# Allegro board 8880F5-0820_5.brd (continued)
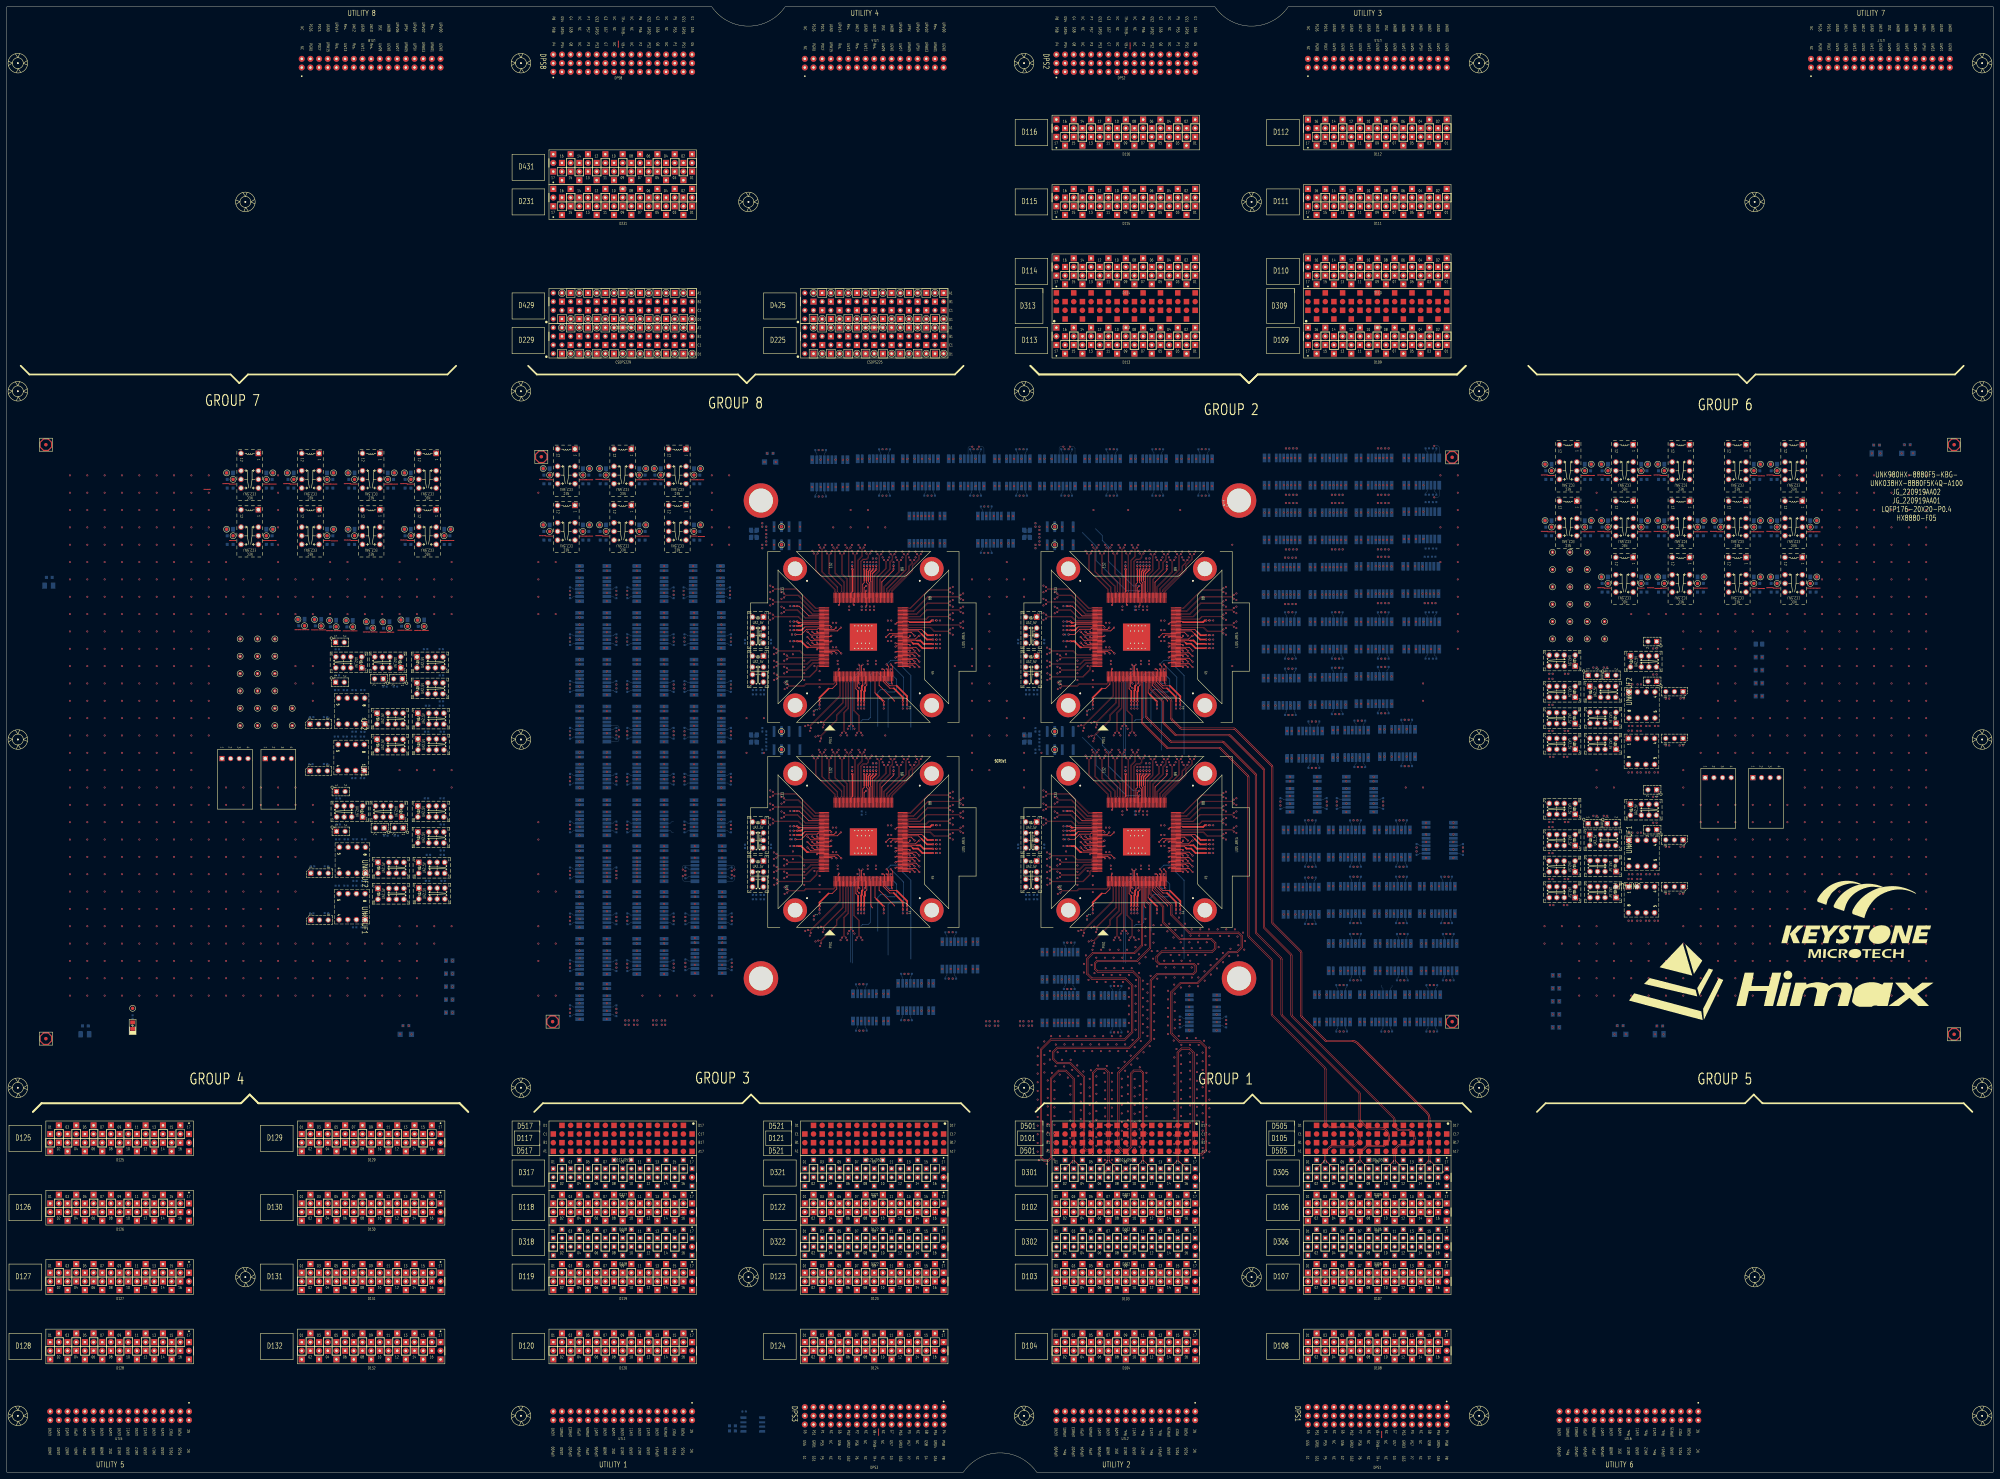
[diagram p0: board, top side]
## Placement (name value [footprint] x y rotation side) (continued)
FD7  -  [FD_040_V2]  423.24 297.28 180 bottom
FD8  -  [FD_040_V2]  156.51 297.46 180 bottom
FD9  -  [FD_040_V2]  570.23 128.27 180 bottom
FD10  -  [FD_040_V2]  570.23 300.99 0 top
FD11  -  [FD_040_V2]  570.23 300.99 180 bottom
FD12  -  [FD_040_V2]  11.43 300.99 0 top
FD13  -  [FD_040_V2]  11.43 300.99 180 bottom
FD14  -  [FD_040_V2]  11.43 127 0 top
FD15  -  [FD_040_V2]  11.43 127 180 bottom
FD16  -  [FD_040_V2]  570.23 128.27 0 top
GND1  TP01  [TP_040_T]  173.57 294 0 top
GND2  TP01  [TP_040_T]  187.11 294 180 top
GND3  TP01  [TP_040_T]  116.42 292.74 0 top
GND4  TP01  [TP_040_T]  157.06 294 0 top
GND5  TP01  [TP_040_T]  170.6 294 180 top
GND6  TP01  [TP_040_T]  173.57 277.5 0 top
GND7  TP01  [TP_040_T]  203.11 294 180 top
GND8  TP01  [TP_040_T]  189.58 294 0 top
GND9  TP01  [TP_040_T]  170.6 277.5 180 top
GND10  TP01  [TP_040_T]  99.36 249.46 0 top
GND11  TP01  [TP_040_T]  94.49 249.52 0 top
GND12  TP01  [TP_040_T]  203.11 277.5 180 top
GND13  TP01  [TP_040_T]  187.11 277.5 180 top
GND14  TP01  [TP_040_T]  157.06 277.5 0 top
HX8880-F05  REF-CODE-CHIP  [CHIP_CODE]  559.05 279.65 0 top
J1  HDR-2X1-M  [JP_2P_100]  110.24 232.41 270 bottom
J2  HDR-3X1-M  [JP_3P_100]  88.76 205.43 90 bottom
J3  HDR-3X1-M  [JP_3P_100]  88.76 219.15 90 bottom
J4  HDR-2X1-M  [JP_2P_100]  96.27 231.39 90 bottom
J5  HDR-2X1-M  [JP_2P_100]  96.27 243.08 90 bottom
JG_220919AA01  REF-CODE-SOCKET  [SOCKET_CODE]  559.05 284.73 0 top
JG_220919AA02  REF-CODE-SOCKET  [SOCKET_CODE]  559.05 287.27 0 top
K1  G6K-2F-RF-T-5V-SPECIAL  [RL_G6K2FRT_8P_5V_GR]  171.7 219.2 270 bottom
K2  G6K-2F-RF-T-5V-SPECIAL  [RL_G6K2FRT_8P_5V_GR]  205.23 232.92 270 bottom
K3  G6K-2F-RF-T-5V-SPECIAL  [RL_G6K2FRT_8P_5V_GR]  294.39 292.86 0 bottom
K4  G6K-2F-RF-T-5V-SPECIAL  [RL_G6K2FRT_8P_5V_GR]  307.59 292.86 0 bottom
K5  G6K-2F-RF-T-5V-SPECIAL  [RL_G6K2FRT_8P_5V_GR]  347.73 292.86 0 bottom
K6  G6K-2F-RF-T-5V-SPECIAL  [RL_G6K2FRT_8P_5V_GR]  334.26 292.86 0 bottom
K7  G6K-2F-RF-T-5V-SPECIAL  [RL_G6K2FRT_8P_5V_GR]  320.8 292.86 0 bottom
K8  G6K-2F-RF-T-5V-SPECIAL  [RL_G6K2FRT_8P_5V_GR]  267.46 292.86 0 bottom
K9  UA2-5NJ-A-V3  [RL_NECUA2_5V_V3]  219.96 235.46 90 bottom
K10  UA2-5NJ-A-V3  [RL_NECUA2_5V_V3]  111.76 237.24 0 bottom
K11  G6K-2F-RF-T-5V-SPECIAL  [RL_G6K2FRT_8P_5V_GR]  289.56 276.1 180 bottom
K12  UA2-5NJ-A-V3  [RL_NECUA2_5V_V3]  219.96 246.89 90 bottom
K13  UA2-5NJ-A-V3  [RL_NECUA2_5V_V3]  123.7 229.62 180 bottom
K14  UA2-5NJ-A-V3  [RL_NECUA2_5V_V3]  112.01 220.73 180 bottom
K15  UA2-5NJ-A-V3  [RL_NECUA2_5V_V3]  123.99 213.19 180 bottom
K16  G6K-2F-RF-T-5V-SPECIAL  [RL_G6K2FRT_8P_5V_GR]  241.05 292.61 180 bottom
K17  G6K-2F-RF-T-5V-SPECIAL  [RL_G6K2FRT_8P_5V_GR]  254.25 292.86 0 bottom
K18  UB2-5NU-B  [RL_NECUB2_5V]  228.45 274.32 0 bottom
K19  UA2-5NJ-A-V3  [RL_NECUA2_5V_V3]  112.01 213.11 180 bottom
K20  UA2-5NJ-A-V3  [RL_NECUA2_5V_V3]  123.95 220.73 180 bottom
K21  G6K-2F-RF-T-5V-SPECIAL  [RL_G6K2FRT_8P_5V_GR]  280.92 292.86 0 bottom
K22  G6K-2F-RF-T-5V-SPECIAL  [RL_G6K2FRT_8P_5V_GR]  205.23 246.63 270 bottom
K23  G6K-2F-RF-T-5V-SPECIAL  [RL_G6K2FRT_8P_5V_GR]  188.47 232.92 270 bottom
K24  G6K-2F-RF-T-5V-SPECIAL  [RL_G6K2FRT_8P_5V_GR]  171.7 232.92 270 bottom
K25  G6K-2F-RF-T-5V-SPECIAL  [RL_G6K2FRT_8P_5V_GR]  204.98 260.35 270 bottom
K26  G6K-2F-RF-T-5V-SPECIAL  [RL_G6K2FRT_8P_5V_GR]  188.47 246.63 270 bottom
K27  G6K-2F-RF-T-5V-SPECIAL  [RL_G6K2FRT_8P_5V_GR]  171.7 246.63 270 bottom
K28  UA2-5NJ-A-V3  [RL_NECUA2_5V_V3]  100.33 237.24 0 bottom
K29  G6K-2F-RF-T-5V-SPECIAL  [RL_G6K2FRT_8P_5V_GR]  171.7 260.35 270 bottom
K30  G6K-2F-RF-T-5V-SPECIAL  [RL_G6K2FRT_8P_5V_GR]  188.47 260.35 270 bottom
K31  EC2-5NJ-A  [RL_NECEC2_10P_5V]  196.34 276.86 90 bottom
K33  NC/UA2-5NJ-A-V3  [RL_NECUA2_5V_V3]  123.7 237.24 180 bottom
K34  EC2-5NJ-A  [RL_NECEC2_10P_5V]  180.34 293.37 90 bottom
K36  EC2-5NJ-A  [RL_NECEC2_10P_5V]  123.19 292.1 90 bottom
K37  EC2-5NJ-A  [RL_NECEC2_10P_5V]  163.83 293.37 90 bottom
K39  EC2-5NJ-A  [RL_NECEC2_10P_5V]  180.34 276.86 90 bottom
K40  EC2-5NJ-A  [RL_NECEC2_10P_5V]  196.34 293.37 90 bottom
K42  EC2-5NJ-A  [RL_NECEC2_10P_5V]  163.83 276.86 90 bottom
K43  G6K-2F-RF-T-5V-SPECIAL  [RL_G6K2FRT_8P_5V_GR]  269.49 276.1 180 bottom
LD902  LDG-2-S8  [LED_0805]  36.83 130.81 90 top
LOGO1  -  [LOGO_KT_KSMT]  538.48 154.94 0 top
LOGO2  LOGO_HX_Himax  [LOGO_HX_HIMAX]  518.16 138.43 0 top
LQFP176-20X20-P0.4  REF-CODE-CHIP  [CHIP_CODE]  559.05 282.19 0 top
NOREF  -  []  98.53 238.84 0 top
NOREF#2  -  []  201.23 219.75 90 top
NOREF#3  -  []  192.57 242.68 90 top
NOREF#4  -  []  306.27 216.63 90 top
NOREF#5  -  []  184.47 165.4 90 top
NOREF#6  -  []  88.64 247.45 90 top
NOREF#7  -  []  222.11 252.14 0 top
NOREF#8  -  []  317.98 165.04 90 top
NOREF#9  -  []  296.96 180.71 0 top
NOREF#10  -  []  381.74 297.12 0 top
NOREF#11  -  []  317.05 288.86 0 top
NOREF#12  -  []  184.47 145.93 90 top
NOREF#13  -  []  393.74 131.34 90 top
NOREF#14  -  []  226.27 156.63 90 top
NOREF#15  -  []  468.85 259.9 90 top
NOREF#16  -  []  400.25 148.15 90 top
NOREF#17  -  []  384.59 179.7 90 top
NOREF#18  -  []  331.62 265.56 90 top
NOREF#19  -  []  396.55 257.37 0 top
NOREF#20  -  []  238.3 224.74 90 top
NOREF#21  -  []  309.21 253.37 0 top
NOREF#22  -  []  295.96 188.49 0 top
NOREF#23  -  []  310.43 193.37 90 top
NOREF#24  -  []  343.2 172.26 90 top
NOREF#25  -  []  167.7 192.32 90 top
NOREF#26  -  []  321.82 167.13 90 top
NOREF#27  -  []  352.24 244.86 90 top
NOREF#28  -  []  304.61 144.34 0 top
NOREF#29  -  []  327.27 131.64 90 top
NOREF#30  -  []  450.03 182.17 0 top
NOREF#31  -  []  309.21 248.88 0 top
NOREF#32  -  []  199.59 145.03 90 top
NOREF#33  -  []  120.21 178.64 0 top
NOREF#34  -  []  168.13 199.99 90 top
NOREF#35  -  []  124.64 171.1 0 top
NOREF#36  -  []  375.22 163.39 0 top
NOREF#37  -  []  310.41 186.34 90 top
NOREF#38  -  []  201.21 292.55 90 top
NOREF#39  -  []  229.51 243.41 0 top
NOREF#40  -  []  209.08 256.4 90 top
NOREF#41  -  []  352.25 182.96 0 top
NOREF#42  -  []  410.52 289.12 0 top
NOREF#43  -  []  199.59 243.9 90 top
NOREF#44  -  []  272.8 145.48 90 top
NOREF#45  -  []  296.96 252.14 0 top
NOREF#46  -  []  386.46 131.89 0 top
NOREF#47  -  []  328.33 247.93 0 top
NOREF#48  -  []  352.25 249.82 0 top
NOREF#49  -  []  461.96 217.98 0 top
NOREF#50  -  []  388.43 180.15 0 top
NOREF#51  -  []  330.73 265.55 0 top
NOREF#52  -  []  310.43 183.09 90 top
NOREF#53  -  []  101.82 287.84 90 top
NOREF#54  -  []  459.28 227 0 top
NOREF#55  -  []  259.33 265.55 0 top
NOREF#56  -  []  263.2 172.26 90 top
NOREF#57  -  []  329.28 165.04 90 top
NOREF#58  -  []  375.73 199.18 90 top
NOREF#59  -  []  409.74 163.69 90 top
NOREF#60  -  []  528.1 273.87 90 top
NOREF#61  -  []  317.83 257.63 0 top
NOREF#62  -  []  167.7 247.18 90 top
NOREF#63  -  []  373.83 192.28 90 top
NOREF#64  -  []  352.55 245.18 0 top
NOREF#65  -  []  209.23 189.02 90 top
NOREF#66  -  []  192.47 177.76 90 top
NOREF#67  -  []  201.23 190.12 90 top
NOREF#68  -  []  292.74 296.86 0 top
NOREF#69  -  []  184.47 149.48 90 top
NOREF#70  -  []  192.47 175.56 90 top
NOREF#71  -  []  388.43 163.64 0 top
NOREF#72  -  []  392.04 224.85 90 top
NOREF#73  -  []  118.45 239.39 0 top
NOREF#74  -  []  308.91 152.34 0 top
NOREF#75  -  []  303.56 173.86 90 top
NOREF#76  -  []  518.38 259.9 90 top
NOREF#77  -  []  271.31 288.86 0 top
NOREF#78  -  []  327.7 131.19 90 top
NOREF#79  -  []  246.23 233.13 0 top
NOREF#80  -  []  223.56 173.86 90 top
NOREF#81  -  []  118.96 174.04 90 top
NOREF#82  -  []  268.01 296.86 0 top
NOREF#83  -  []  175.7 232.37 90 top
NOREF#84  -  []  420.88 129.99 90 top
NOREF#85  -  []  331.38 164.74 90 top
NOREF#86  -  []  377.23 241.16 90 top
NOREF#87  -  []  461.86 187.32 0 top
NOREF#88  -  []  320.94 151.63 90 top
NOREF#89  -  []  201.23 204.09 90 top
NOREF#90  -  []  303.26 152.34 0 top
NOREF#91  -  []  167.7 173.11 0 top
NOREF#92  -  []  201.49 165.4 90 top
NOREF#93  -  []  256.45 164.72 0 top
NOREF#94  -  []  342.04 224.74 0 top
NOREF#95  -  []  352.25 243.59 90 top
NOREF#96  -  []  252.83 264.65 90 top
NOREF#97  -  []  400.24 195.88 90 top
NOREF#98  -  []  201.23 192.32 90 top
NOREF#99  -  []  404.24 154.88 0 top
NOREF#100  -  []  339.33 204.35 90 top
NOREF#101  -  []  108.27 178.64 0 top
NOREF#102  -  []  175.7 246.08 90 top
NOREF#103  -  []  482.64 235.89 90 top
NOREF#104  -  []  122.41 178.64 0 top
NOREF#105  -  []  268.94 272.1 0 top
NOREF#106  -  []  324.65 288.86 0 top
NOREF#107  -  []  343.98 288.86 0 top
NOREF#108  -  []  119.7 238.84 0 top
NOREF#109  -  []  201.66 240.88 90 top
NOREF#110  -  []  220.36 188.49 0 top
NOREF#111  -  []  378.75 224.05 90 top
NOREF#112  -  []  128.21 178.64 0 top
NOREF#113  -  []  368.28 281.11 0 top
NOREF#114  -  []  334.29 204.35 90 top
NOREF#115  -  []  106.11 234.24 0 top
NOREF#116  -  []  423.61 184.62 90 top
NOREF#117  -  []  331.05 204.65 90 top
NOREF#118  -  []  449.99 217.9 0 top
NOREF#119  -  []  468.01 179.15 0 top
NOREF#120  -  []  393.19 271.21 90 top
NOREF#121  -  []  241.6 296.61 0 top
NOREF#122  -  []  230.43 188.88 90 top
NOREF#123  -  []  383.73 195.88 90 top
NOREF#124  -  []  201.23 206.29 90 top
NOREF#125  -  []  230.73 247.93 0 top
NOREF#126  -  []  405.5 241.11 90 top
NOREF#127  -  []  310.41 253.37 90 top
NOREF#128  -  []  318.3 164.74 90 top
NOREF#129  -  []  420.15 131.44 90 top
NOREF#130  -  []  122.44 171.1 0 top
NOREF#131  -  []  465.45 290.38 90 top
NOREF#132  -  []  192.47 150.58 90 top
NOREF#133  -  []  192.47 209.49 90 top
NOREF#134  -  []  237.83 197.63 0 top
NOREF#135  -  []  315.7 296.86 0 top
NOREF#136  -  []  306.71 144.34 0 top
NOREF#137  -  []  354.27 134.07 90 top
NOREF#138  -  []  339.65 204.65 90 top
NOREF#139  -  []  246.63 130.24 90 top
NOREF#140  -  []  201.23 227.72 0 top
NOREF#141  -  []  218.16 237.06 0 top
NOREF#142  -  []  373.32 181.42 90 top
NOREF#143  -  []  75.98 271.33 90 top
NOREF#144  -  []  261.21 286.96 0 top
NOREF#145  -  []  463.11 230.2 0 top
NOREF#146  -  []  312.46 144.39 90 top
NOREF#147  -  []  184.89 199.99 90 top
NOREF#148  -  []  239.33 236.03 90 top
NOREF#149  -  []  175.7 135.17 90 top
NOREF#150  -  []  317.05 288.86 0 top
NOREF#151  -  []  352.25 181.05 90 top
NOREF#152  -  []  390.94 241.16 90 top
NOREF#153  -  []  210.86 214.75 90 top
NOREF#154  -  []  252.6 296.86 0 top
NOREF#155  -  []  456.08 239.34 0 top
NOREF#156  -  []  184.47 260.9 90 top
NOREF#157  -  []  339.89 288.41 90 top
NOREF#158  -  []  367.73 290.39 90 top
NOREF#159  -  []  333.33 181.33 90 top
NOREF#160  -  []  295.19 271.65 90 top
NOREF#161  -  []  389.7 209.36 0 top
NOREF#162  -  []  419.47 273.37 90 top
NOREF#163  -  []  98.78 195.15 0 top
NOREF#164  -  []  262.04 224.74 0 top
NOREF#165  -  []  424.05 163.64 90 top
NOREF#166  -  []  201.23 229.07 90 top
NOREF#167  -  []  334.61 264.65 90 top
NOREF#168  -  []  406.52 131.89 90 top
NOREF#169  -  []  368.03 249.11 0 top
NOREF#170  -  []  451.68 195.91 0 top
NOREF#171  -  []  229.21 186.34 0 top
NOREF#172  -  []  456.08 186.77 0 top
NOREF#173  -  []  182.57 254 90 top
NOREF#174  -  []  400.34 194.68 90 top
NOREF#175  -  []  257.08 132.19 90 top
NOREF#176  -  []  386.53 181.42 90 top
NOREF#177  -  []  194.09 146.68 90 top
NOREF#178  -  []  124.35 222.33 0 top
NOREF#179  -  []  259.65 264.65 90 top
NOREF#180  -  []  122.15 195.15 0 top
NOREF#181  -  []  351.04 241.69 0 top
NOREF#182  -  []  331.06 223.82 90 top
NOREF#183  -  []  250.74 224.72 0 top
NOREF#184  -  []  221.56 250.49 0 top
NOREF#185  -  []  330.74 224.72 0 top
NOREF#186  -  []  405.51 209.61 0 top
NOREF#187  -  []  252.51 265.56 90 top
NOREF#188  -  []  380.53 217.11 0 top
NOREF#189  -  []  122.15 222.33 0 top
NOREF#190  -  []  283.21 282 0 top
NOREF#191  -  []  118.33 273.87 90 top
NOREF#192  -  []  111.54 287.84 90 top
NOREF#193  -  []  184.47 187.92 90 top
NOREF#194  -  []  412.79 209.06 90 top
NOREF#195  -  []  108.27 178.64 0 top
NOREF#196  -  []  417.7 146.88 0 top
NOREF#197  -  []  209.33 228.97 90 top
NOREF#198  -  []  234.7 298.51 0 top
NOREF#199  -  []  119.95 222.33 0 top
NOREF#200  -  []  339.33 265.55 0 top
NOREF#201  -  []  167.7 178.86 90 top
NOREF#202  -  []  385.32 178.25 90 top
NOREF#203  -  []  424.47 163.09 90 top
NOREF#204  -  []  184.47 229.07 90 top
NOREF#205  -  []  259.84 145.09 0 top
NOREF#206  -  []  301.56 239.06 0 top
NOREF#207  -  []  332.61 288.86 0 top
NOREF#208  -  []  107.18 246.83 90 top
NOREF#209  -  []  266.74 143.19 0 top
NOREF#210  -  []  304.61 131.64 0 top
NOREF#211  -  []  296.81 275.94 0 top
NOREF#212  -  []  324.9 288.91 90 top
NOREF#213  -  []  175.8 201.79 90 top
NOREF#214  -  []  118.7 182.93 90 top
NOREF#215  -  []  220.36 237.06 0 top
NOREF#216  -  []  272.24 242.32 90 top
NOREF#217  -  []  223.15 271.32 90 top
NOREF#218  -  []  511.59 257.36 90 top
NOREF#219  -  []  272.25 182.96 0 top
NOREF#220  -  []  315.16 290.13 90 top
NOREF#221  -  []  240.94 211.63 90 top
NOREF#222  -  []  327.25 204.35 90 top
NOREF#223  -  []  386.53 164.91 90 top
NOREF#224  -  []  184.47 227.72 90 top
NOREF#225  -  []  337.9 246.99 0 top
NOREF#226  -  []  351.04 242.96 0 top
NOREF#227  -  []  312.79 288.86 90 top
NOREF#228  -  []  371.48 249.11 0 top
NOREF#229  -  []  451.68 186.77 0 top
NOREF#230  -  []  384.59 179.6 90 top
NOREF#231  -  []  397.57 131.89 0 top
NOREF#232  -  []  107.02 179.19 0 top
NOREF#233  -  []  194.09 228.47 90 top
NOREF#234  -  []  184.47 178.86 90 top
NOREF#235  -  []  559.43 297.18 90 top
NOREF#236  -  []  393.19 287.22 90 top
NOREF#237  -  []  230.43 188.88 0 top
NOREF#238  -  []  209.49 148.63 90 top
NOREF#239  -  []  118.33 286.94 90 top
NOREF#240  -  []  415.6 146.88 0 top
NOREF#241  -  []  320.83 194.63 0 top
NOREF#242  -  []  116.27 171.02 0 top
NOREF#243  -  []  229.51 183.41 0 top
NOREF#244  -  []  302.49 296.86 0 top
NOREF#245  -  []  375.22 163.39 0 top
NOREF#246  -  []  94.68 234.24 0 top
NOREF#247  -  []  94.68 234.24 0 top
NOREF#248  -  []  272.24 189.18 90 top
NOREF#249  -  []  334.29 205.56 0 top
NOREF#250  -  []  352.25 189.18 90 top
NOREF#251  -  []  330.73 205.56 90 top
NOREF#252  -  []  262.68 163.52 90 top
NOREF#253  -  []  295.96 177.06 0 top
NOREF#254  -  []  303.15 211.32 90 top
NOREF#255  -  []  330.17 163.82 90 top
NOREF#256  -  []  119.99 214.79 0 top
NOREF#257  -  []  451.68 214.96 0 top
NOREF#258  -  []  456.08 171.53 0 top
NOREF#259  -  []  331.05 205.86 90 top
NOREF#260  -  []  402.14 146.88 0 top
NOREF#261  -  []  319.33 243.63 90 top
NOREF#262  -  []  201.23 241.43 90 top
NOREF#263  -  []  465.81 171.53 0 top
NOREF#264  -  []  298.16 237.06 0 top
NOREF#265  -  []  310.73 186.66 0 top
NOREF#266  -  []  404.4 257.42 90 top
NOREF#267  -  []  109.96 238.84 0 top
NOREF#268  -  []  390.53 188.15 0 top
NOREF#269  -  []  387.39 297.12 0 top
NOREF#270  -  []  473.7 176.22 90 top
NOREF#271  -  []  385.19 249.11 0 top
NOREF#272  -  []  230.43 189.52 0 top
NOREF#273  -  []  277.17 288.86 0 top
NOREF#274  -  []  397.8 179.7 90 top
NOREF#275  -  []  167.7 192.32 90 top
NOREF#276  -  []  256.77 225.04 90 top
NOREF#277  -  []  336.77 223.82 90 top
NOREF#278  -  []  406.95 131.44 90 top
NOREF#279  -  []  378.33 209.11 0 top
NOREF#280  -  []  375.73 193.43 90 top
NOREF#281  -  []  262.36 225.04 90 top
NOREF#282  -  []  418.37 289.17 90 top
NOREF#283  -  []  396.28 146.93 90 top
NOREF#284  -  []  272.24 184.86 90 top
NOREF#285  -  []  351.58 288.86 0 top
NOREF#286  -  []  298.24 288.86 0 top
NOREF#287  -  []  201.23 186.57 90 top
NOREF#288  -  []  459.28 192.71 0 top
NOREF#289  -  []  310.43 248.88 90 top
NOREF#290  -  []  215.96 177.06 0 top
NOREF#291  -  []  398.65 289.12 0 top
NOREF#292  -  []  311.69 288.91 90 top
NOREF#293  -  []  408.92 265.37 0 top
NOREF#294  -  []  381.74 249.11 0 top
NOREF#295  -  []  200.98 260.9 90 top
NOREF#296  -  []  471.21 175.95 90 top
NOREF#297  -  []  218.13 274.06 90 top
NOREF#298  -  []  230.73 183.41 0 top
NOREF#299  -  []  369.38 257.11 0 top
NOREF#300  -  []  450.03 191.31 0 top
NOREF#301  -  []  221.56 179.06 0 top
NOREF#302  -  []  451.64 222.5 0 top
NOREF#303  -  []  336.77 163.82 90 top
NOREF#304  -  []  262.04 164.74 0 top
NOREF#305  -  []  339.97 204.35 90 top
NOREF#306  -  []  112.05 246.78 90 top
NOREF#307  -  []  461.86 225.6 90 top
NOREF#308  -  []  199.59 189.04 90 top
NOREF#309  -  []  199.33 212.85 90 top
NOREF#310  -  []  272.25 189.18 90 top
NOREF#311  -  []  333.72 205.86 90 top
NOREF#312  -  []  404.15 257.37 0 top
NOREF#313  -  []  468.01 171.53 0 top
NOREF#314  -  []  417.2 163.64 0 top
NOREF#315  -  []  468.85 257.36 90 top
NOREF#316  -  []  230.43 188.88 90 top
NOREF#317  -  []  393.19 222.95 90 top
NOREF#318  -  []  451.64 179.06 0 top
NOREF#319  -  []  401.89 163.64 0 top
NOREF#320  -  []  93.02 247.21 90 top
NOREF#321  -  []  201.23 214 90 top
NOREF#322  -  []  408.02 239.21 0 top
NOREF#323  -  []  252.51 204.35 90 top
NOREF#324  -  []  165.8 171.96 0 top
NOREF#325  -  []  385.19 232.85 0 top
NOREF#326  -  []  209.33 215.25 90 top
NOREF#327  -  []  249.6 223.52 90 top
NOREF#328  -  []  266.74 272.1 0 top
NOREF#329  -  []  310.73 249.2 0 top
NOREF#330  -  []  391.8 209.36 0 top
NOREF#331  -  []  262.68 164.74 90 top
NOREF#332  -  []  369.63 273.11 0 top
NOREF#333  -  []  201.49 161 90 top
NOREF#334  -  []  310.43 254.01 0 top
NOREF#335  -  []  453.88 214.96 0 top
NOREF#336  -  []  403.99 188.15 0 top
NOREF#337  -  []  369.63 289.12 0 top
NOREF#338  -  []  127.55 219.13 90 top
NOREF#339  -  []  167.7 201.89 90 top
NOREF#340  -  []  192.47 164.3 90 top
NOREF#341  -  []  175.7 250.38 90 top
NOREF#342  -  []  230.73 243.41 0 top
NOREF#343  -  []  218.16 177.06 0 top
NOREF#344  -  []  201.49 147.53 90 top
NOREF#345  -  []  403.99 163.64 0 top
NOREF#346  -  []  266.74 143.19 0 top
NOREF#347  -  []  272.25 249.82 0 top
NOREF#348  -  []  377.23 257.16 90 top
NOREF#349  -  []  343.83 231.63 90 top
NOREF#350  -  []  406.65 223.21 90 top
NOREF#351  -  []  115.87 175.44 90 top
NOREF#352  -  []  271.34 183.91 0 top
NOREF#353  -  []  411.26 179.6 90 top
NOREF#354  -  []  403.99 171.64 0 top
NOREF#355  -  []  222.11 180.71 0 top
NOREF#356  -  []  230.41 186.34 90 top
NOREF#357  -  []  182.82 162.12 90 top
NOREF#358  -  []  251.62 265.55 0 top
NOREF#359  -  []  319.33 176.03 90 top
NOREF#360  -  []  314.71 129.74 90 top
NOREF#361  -  []  501.87 273.87 90 top
NOREF#362  -  []  184.47 159.65 90 top
NOREF#363  -  []  310.43 243.09 90 top
NOREF#364  -  []  451.68 239.34 0 top
NOREF#365  -  []  209.23 202.99 90 top
NOREF#366  -  []  344.37 128.27 90 top
NOREF#367  -  []  194.09 255.9 90 top
NOREF#368  -  []  175.8 228.97 90 top
NOREF#369  -  []  175.7 141.67 90 top
NOREF#370  -  []  263.95 223.52 90 top
NOREF#371  -  []  342.04 164.72 0 top
NOREF#372  -  []  218.13 274.06 0 top
NOREF#373  -  []  331.06 165.04 90 top
NOREF#374  -  []  235.4 289.88 90 top
NOREF#375  -  []  167.7 206.29 90 top
NOREF#376  -  []  182.82 148.4 90 top
NOREF#377  -  []  199.33 199.39 90 top
NOREF#378  -  []  392.47 288.57 90 top
NOREF#379  -  []  184.47 206.29 90 top
NOREF#380  -  []  410.27 257.37 0 top
NOREF#381  -  []  405.93 288.57 90 top
NOREF#382  -  []  392.47 288.67 90 top
NOREF#383  -  []  419.65 256.92 90 top
NOREF#384  -  []  313.22 288.41 90 top
NOREF#385  -  []  217.71 216.09 0 top
NOREF#386  -  []  398.65 297.12 0 top
NOREF#387  -  []  352.25 244.23 0 top
NOREF#388  -  []  311.15 219.63 90 top
NOREF#389  -  []  270.29 135.24 90 top
NOREF#390  -  []  450.03 166.93 0 top
NOREF#391  -  []  450.03 225.6 0 top
NOREF#392  -  []  251.38 164.74 90 top
NOREF#393  -  []  310.43 253.37 90 top
NOREF#394  -  []  94.93 190.55 0 top
NOREF#395  -  []  261.63 173.83 90 top
NOREF#396  -  []  478.57 274.77 90 top
NOREF#397  -  []  387.39 281.11 0 top
NOREF#398  -  []  259.65 205.86 90 top
NOREF#399  -  []  355.89 130.17 90 top
NOREF#400  -  []  410.52 273.37 0 top
NOREF#401  -  []  177.33 133.47 90 top
NOREF#402  -  []  184.47 233.47 90 top
NOREF#403  -  []  354.37 130.67 90 top
NOREF#404  -  []  419.9 272.92 90 top
NOREF#405  -  []  378.75 240.56 90 top
NOREF#406  -  []  330.73 264.35 90 top
NOREF#407  -  []  201.66 213.45 90 top
NOREF#408  -  []  127.95 195.15 0 top
NOREF#409  -  []  313.98 131.09 90 top
NOREF#410  -  []  415.1 163.64 0 top
NOREF#411  -  []  303.84 288.86 0 top
NOREF#412  -  []  263.31 224.74 0 top
NOREF#413  -  []  329.85 164.74 0 top
NOREF#414  -  []  392.47 240.56 90 top
NOREF#415  -  []  383.09 224.85 0 top
NOREF#416  -  []  319.33 176.03 0 top
NOREF#417  -  []  229.21 253.37 0 top
NOREF#418  -  []  175.8 187.82 90 top
NOREF#419  -  []  339.46 288.86 90 top
NOREF#420  -  []  272.24 244.86 90 top
NOREF#421  -  []  301.95 290.13 90 top
NOREF#422  -  []  478.57 257.36 90 top
NOREF#423  -  []  330.49 224.74 90 top
NOREF#424  -  []  408.28 129.99 0 top
NOREF#425  -  []  333.4 205.56 90 top
NOREF#426  -  []  165.8 131.57 0 top
NOREF#427  -  []  262.04 224.72 0 top
NOREF#428  -  []  175.7 209.49 90 top
NOREF#429  -  []  405.5 225.11 90 top
NOREF#430  -  []  387.08 154.88 0 top
NOREF#431  -  []  263.63 223.82 90 top
NOREF#432  -  []  122.15 187.53 0 top
NOREF#433  -  []  253.33 241.33 90 top
NOREF#434  -  []  471.21 168.33 0 top
NOREF#435  -  []  406.65 239.21 90 top
NOREF#436  -  []  220.36 177.06 0 top
NOREF#437  -  []  218.13 214.06 90 top
NOREF#438  -  []  333.4 265.55 0 top
NOREF#439  -  []  272.24 243.59 90 top
NOREF#440  -  []  459.28 192.71 90 top
NOREF#441  -  []  272.55 185.18 0 top
NOREF#442  -  []  453.84 222.5 0 top
NOREF#443  -  []  182.82 257.62 90 top
NOREF#444  -  []  295.96 237.06 0 top
NOREF#445  -  []  471.11 230.2 0 top
NOREF#446  -  []  352.24 242.32 90 top
NOREF#447  -  []  303.56 185.29 90 top
NOREF#448  -  []  352.25 185.5 0 top
NOREF#449  -  []  127.59 211.59 90 top
NOREF#450  -  []  459.28 168.33 90 top
NOREF#451  -  []  218.16 248.49 0 top
NOREF#452  -  []  242.23 233.13 90 top
NOREF#453  -  []  252.51 205.56 90 top
NOREF#454  -  []  328.01 286.96 0 top
NOREF#455  -  []  330.18 182.88 0 top
NOREF#456  -  []  310.43 183.09 0 top
NOREF#457  -  []  251.22 193.63 0 top
NOREF#458  -  []  122.19 247.3 90 top
NOREF#459  -  []  167.7 256.5 90 top
NOREF#460  -  []  481.96 276.41 90 top
NOREF#461  -  []  351.34 242.64 0 top
NOREF#462  -  []  461.86 182.17 90 top
NOREF#463  -  []  310.43 189.52 0 top
NOREF#464  -  []  222.67 298 90 top
NOREF#465  -  []  271.04 249.18 0 top
NOREF#466  -  []  184.47 151.68 90 top
NOREF#467  -  []  259.33 205.56 0 top
NOREF#468  -  []  247.89 204.35 90 top
NOREF#469  -  []  177.33 201.29 90 top
NOREF#470  -  []  208.98 259.8 90 top
NOREF#471  -  []  415.6 146.88 0 top
NOREF#472  -  []  165.8 226.57 0 top
NOREF#473  -  []  309.51 186.66 0 top
NOREF#474  -  []  352.55 189.5 0 top
NOREF#475  -  []  396.55 289.12 0 top
NOREF#476  -  []  209.23 216.45 90 top
NOREF#477  -  []  495.08 277.31 90 top
NOREF#478  -  []  201.21 290.01 90 top
NOREF#479  -  []  226.27 216.63 90 top
NOREF#480  -  []  468.68 129.54 0 top
NOREF#481  -  []  385.19 241.11 0 top
NOREF#482  -  []  155.57 272.6 90 top
NOREF#483  -  []  237.83 257.63 0 top
NOREF#484  -  []  330.73 205.56 0 top
NOREF#485  -  []  390.59 195.9 90 top
NOREF#486  -  []  245.15 288.66 90 top
NOREF#487  -  []  248.96 224.74 0 top
NOREF#488  -  []  475.04 195.66 0 top
NOREF#489  -  []  96.58 195.15 0 top
NOREF#490  -  []  35.83 128.17 90 top
NOREF#491  -  []  404.4 241.16 90 top
NOREF#492  -  []  470.79 128.27 0 top
NOREF#493  -  []  253.4 205.56 0 top
NOREF#494  -  []  380.59 271.21 0 top
NOREF#495  -  []  342.68 224.74 90 top
NOREF#496  -  []  167.7 258.7 90 top
NOREF#497  -  []  463.11 230.2 0 top
NOREF#498  -  []  470.71 227 90 top
NOREF#499  -  []  342.63 296.86 0 top
NOREF#500  -  []  369.63 289.12 0 top
NOREF#501  -  []  209.23 191.22 90 top
NOREF#502  -  []  302.71 145.61 90 top
NOREF#503  -  []  528.1 259.9 90 top
NOREF#504  -  []  384.17 163.39 90 top
NOREF#505  -  []  223.56 233.86 90 top
NOREF#506  -  []  312.21 131.64 0 top
NOREF#507  -  []  392.04 241.11 90 top
NOREF#508  -  []  306.85 211.67 0 top
NOREF#509  -  []  265.81 296.86 0 top
NOREF#510  -  []  332.51 265.55 0 top
NOREF#511  -  []  392.47 240.66 90 top
NOREF#512  -  []  249.85 164.72 0 top
NOREF#513  -  []  175.7 243.88 90 top
NOREF#514  -  []  201.49 151.93 90 top
NOREF#515  -  []  309.51 249.2 0 top
NOREF#516  -  []  234.33 168.13 90 top
NOREF#517  -  []  185.2 292.55 90 top
NOREF#518  -  []  166.06 243.9 90 top
NOREF#519  -  []  238.3 288.61 0 top
NOREF#520  -  []  239.4 296.61 0 top
NOREF#521  -  []  401.89 163.64 0 top
NOREF#522  -  []  339.65 264.65 90 top
NOREF#523  -  []  175.7 195.52 90 top
NOREF#524  -  []  192.47 154.88 90 top
NOREF#525  -  []  251.38 223.52 90 top
NOREF#526  -  []  309.51 243.41 0 top
NOREF#527  -  []  211.11 173.86 90 top
NOREF#528  -  []  401.87 139.89 0 top
NOREF#529  -  []  333.33 241.33 90 top
NOREF#530  -  []  413.71 148.15 90 top
NOREF#531  -  []  175.7 177.76 90 top
NOREF#532  -  []  422.95 163.69 90 top
NOREF#533  -  []  328.96 164.72 0 top
NOREF#534  -  []  225.83 264.31 0 top
NOREF#535  -  []  301.34 286.96 0 top
NOREF#536  -  []  301.56 190.49 0 top
NOREF#537  -  []  184.47 176.66 90 top
NOREF#538  -  []  396.55 289.12 0 top
NOREF#539  -  []  175.7 191.22 90 top
NOREF#540  -  []  418.37 273.42 90 top
NOREF#541  -  []  352.25 249.18 90 top
NOREF#542  -  []  234.33 228.13 90 top
NOREF#543  -  []  290.64 288.86 0 top
NOREF#544  -  []  263.63 225.04 90 top
NOREF#545  -  []  412.79 209.16 90 top
NOREF#546  -  []  380.59 239.21 0 top
NOREF#547  -  []  394.05 239.21 0 top
NOREF#548  -  []  310.43 187.61 90 top
NOREF#549  -  []  217.41 273.24 0 top
NOREF#550  -  []  250.73 205.56 0 top
NOREF#551  -  []  392.73 154.88 0 top
NOREF#552  -  []  256.77 163.82 90 top
NOREF#553  -  []  127.81 175.44 90 top
NOREF#554  -  []  391.96 131.89 0 top
NOREF#555  -  []  192.47 182.06 90 top
NOREF#556  -  []  250.73 264.35 90 top
NOREF#557  -  []  470.71 183.57 90 top
NOREF#558  -  []  199.33 226.57 90 top
NOREF#559  -  []  271.04 189.82 0 top
NOREF#560  -  []  334.29 265.56 90 top
NOREF#561  -  []  75.98 287.84 90 top
NOREF#562  -  []  450.03 234.74 0 top
NOREF#563  -  []  408.63 242.38 90 top
NOREF#564  -  []  351.34 189.5 0 top
NOREF#565  -  []  252.51 205.56 0 top
NOREF#566  -  []  309.21 186.34 0 top
NOREF#567  -  []  331.94 264.65 90 top
NOREF#568  -  []  295.96 237.06 0 top
NOREF#569  -  []  249.6 163.52 90 top
NOREF#570  -  []  273.95 155.38 0 top
NOREF#571  -  []  403.41 209.61 0 top
NOREF#572  -  []  459.28 168.33 0 top
NOREF#573  -  []  409.74 180.2 90 top
NOREF#574  -  []  220.36 248.49 0 top
NOREF#575  -  []  201.91 145.63 90 top
NOREF#576  -  []  271.04 242.96 0 top
NOREF#577  -  []  192.47 195.52 90 top
NOREF#578  -  []  167.7 233.47 90 top
NOREF#579  -  []  399.8 207.46 90 top
NOREF#580  -  []  390.94 289.17 90 top
NOREF#581  -  []  272.25 242.32 90 top
NOREF#582  -  []  343.95 163.52 90 top
NOREF#583  -  []  216.96 240.71 0 top
NOREF#584  -  []  351.04 184.23 0 top
NOREF#585  -  []  478.57 259.9 90 top
NOREF#586  -  []  106.36 190.55 0 top
NOREF#587  -  []  262.36 165.04 90 top
NOREF#588  -  []  301.56 250.49 0 top
NOREF#589  -  []  377.23 273.11 0 top
NOREF#590  -  []  306.71 139.64 0 top
NOREF#591  -  []  221.87 295.91 0 top
NOREF#592  -  []  118.99 171.65 0 top
NOREF#593  -  []  251.62 205.55 0 top
NOREF#594  -  []  485.36 259.9 90 top
NOREF#595  -  []  332.83 205.86 90 top
NOREF#596  -  []  199.59 230.19 90 top
NOREF#597  -  []  309.21 183.09 0 top
NOREF#598  -  []  414.82 281.37 0 top
NOREF#599  -  []  342.36 225.04 90 top
NOREF#600  -  []  252.83 204.65 90 top
NOREF#601  -  []  229.21 187.61 0 top
NOREF#602  -  []  315.82 129.74 0 top
NOREF#603  -  []  314.55 286.96 0 top
NOREF#604  -  []  383.01 139.89 0 top
NOREF#605  -  []  465.45 292.92 90 top
NOREF#606  -  []  108.27 171.02 0 top
NOREF#607  -  []  271.34 249.5 0 top
NOREF#608  -  []  342.36 165.04 90 top
NOREF#609  -  []  182.57 171.96 0 top
NOREF#610  -  []  330.73 265.56 0 top
NOREF#611  -  []  392.73 171.64 0 top
NOREF#612  -  []  406.65 271.21 90 top
NOREF#613  -  []  403.41 209.61 0 top
NOREF#614  -  []  226.44 294.64 90 top
NOREF#615  -  []  105.83 190.55 90 top
NOREF#616  -  []  263.95 224.74 90 top
NOREF#617  -  []  192.57 201.79 90 top
NOREF#618  -  []  238.45 257.01 0 top
NOREF#619  -  []  192.57 256.4 90 top
NOREF#620  -  []  93.76 271.33 90 top
NOREF#621  -  []  346.27 129.42 0 top
NOREF#622  -  []  379.73 287.22 90 top
NOREF#623  -  []  272.25 241.69 0 top
NOREF#624  -  []  341.63 255.43 90 top
NOREF#625  -  []  251.06 165.04 90 top
NOREF#626  -  []  401.52 210.88 90 top
NOREF#627  -  []  414.82 297.12 0 top
NOREF#628  -  []  473.79 234.49 90 top
NOREF#629  -  []  453.88 230.2 0 top
NOREF#630  -  []  258.2 186.67 0 top
NOREF#631  -  []  396.22 139.89 0 top
NOREF#632  -  []  256.45 224.72 0 top
NOREF#633  -  []  377.23 289.12 0 top
NOREF#634  -  []  201.49 173.11 90 top
NOREF#635  -  []  167.7 190.12 90 top
NOREF#636  -  []  334.29 265.55 0 top
NOREF#637  -  []  403.41 209.61 0 top
NOREF#638  -  []  261.63 195.43 90 top
NOREF#639  -  []  267.84 280.1 0 top
NOREF#640  -  []  237.98 225.04 90 top
NOREF#641  -  []  456.08 195.91 0 top
NOREF#642  -  []  271.04 189.18 0 top
NOREF#643  -  []  200.98 255.15 90 top
NOREF#644  -  []  392.47 224.4 90 top
NOREF#645  -  []  317.66 164.72 0 top
NOREF#646  -  []  254.61 265.86 90 top
NOREF#647  -  []  375.22 180.15 0 top
NOREF#648  -  []  296.96 240.71 0 top
NOREF#649  -  []  66.26 290.38 90 top
NOREF#650  -  []  351.04 181.69 0 top
NOREF#651  -  []  269.94 135.19 0 top
NOREF#652  -  []  230.73 249.2 0 top
NOREF#653  -  []  66.26 287.84 90 top
NOREF#654  -  []  317.98 223.82 90 top
NOREF#655  -  []  175.8 242.68 90 top
NOREF#656  -  []  262.36 223.82 90 top
NOREF#657  -  []  405.93 272.66 90 top
NOREF#658  -  []  461.96 166.93 0 top
NOREF#659  -  []  124.35 187.53 0 top
NOREF#660  -  []  342.68 163.52 90 top
NOREF#661  -  []  330.73 265.56 90 top
NOREF#662  -  []  250.73 265.56 0 top
NOREF#663  -  []  106.76 217.73 90 top
NOREF#664  -  []  260.55 136.46 90 top
NOREF#665  -  []  119.99 214.79 0 top
NOREF#666  -  []  415.61 179.97 0 top
NOREF#667  -  []  273.95 147.38 90 top
NOREF#668  -  []  184.47 227.72 0 top
NOREF#669  -  []  390.69 224.85 0 top
NOREF#670  -  []  167.7 159.65 0 top
NOREF#671  -  []  404.15 273.11 0 top
NOREF#672  -  []  262.36 163.82 90 top
NOREF#673  -  []  303.84 288.86 0 top
NOREF#674  -  []  396.55 225.11 0 top
NOREF#675  -  []  258.2 246.67 0 top
NOREF#676  -  []  375.22 163.39 0 top
NOREF#677  -  []  250.17 163.82 90 top
NOREF#678  -  []  184.47 151.68 90 top
NOREF#679  -  []  334.61 205.86 90 top
NOREF#680  -  []  201.49 146.18 90 top
NOREF#681  -  []  331.38 163.52 90 top
NOREF#682  -  []  397.38 146.88 90 top
NOREF#683  -  []  425.7 144.98 90 top
NOREF#684  -  []  309.51 183.41 0 top
NOREF#685  -  []  313.98 131.19 90 top
NOREF#686  -  []  230.43 193.37 0 top
NOREF#687  -  []  331.62 265.55 0 top
NOREF#688  -  []  252.43 132.14 0 top
NOREF#689  -  []  299.81 273.69 90 top
NOREF#690  -  []  296.96 192.14 0 top
NOREF#691  -  []  397.8 163.09 90 top
NOREF#692  -  []  485.36 292.02 90 top
NOREF#693  -  []  192.57 187.82 90 top
NOREF#694  -  []  460.93 191.31 90 top
